# Altium PCB higgs.PcbDoc (part 15 of 25)
Units mm, origin at the board's own origin, x right, y up, seen from the top; angles counter-clockwise.
Board outline 160 x 160 mm, 15 copper layers (TOP, P1(GND), S1(V), P2(GND), S2(H), P3(GND), S3(V12/V2V5), S4(VDDR), P4(GND), S5(V), P5(GND), S6(H), P6(GND), P1(GND) (Plane1), BOT), stack 3.262 mm thick; 1283 components, 2419 nets, 11066 pads, 5487 vias.
Unrouted connection lines stored in the file: 239.
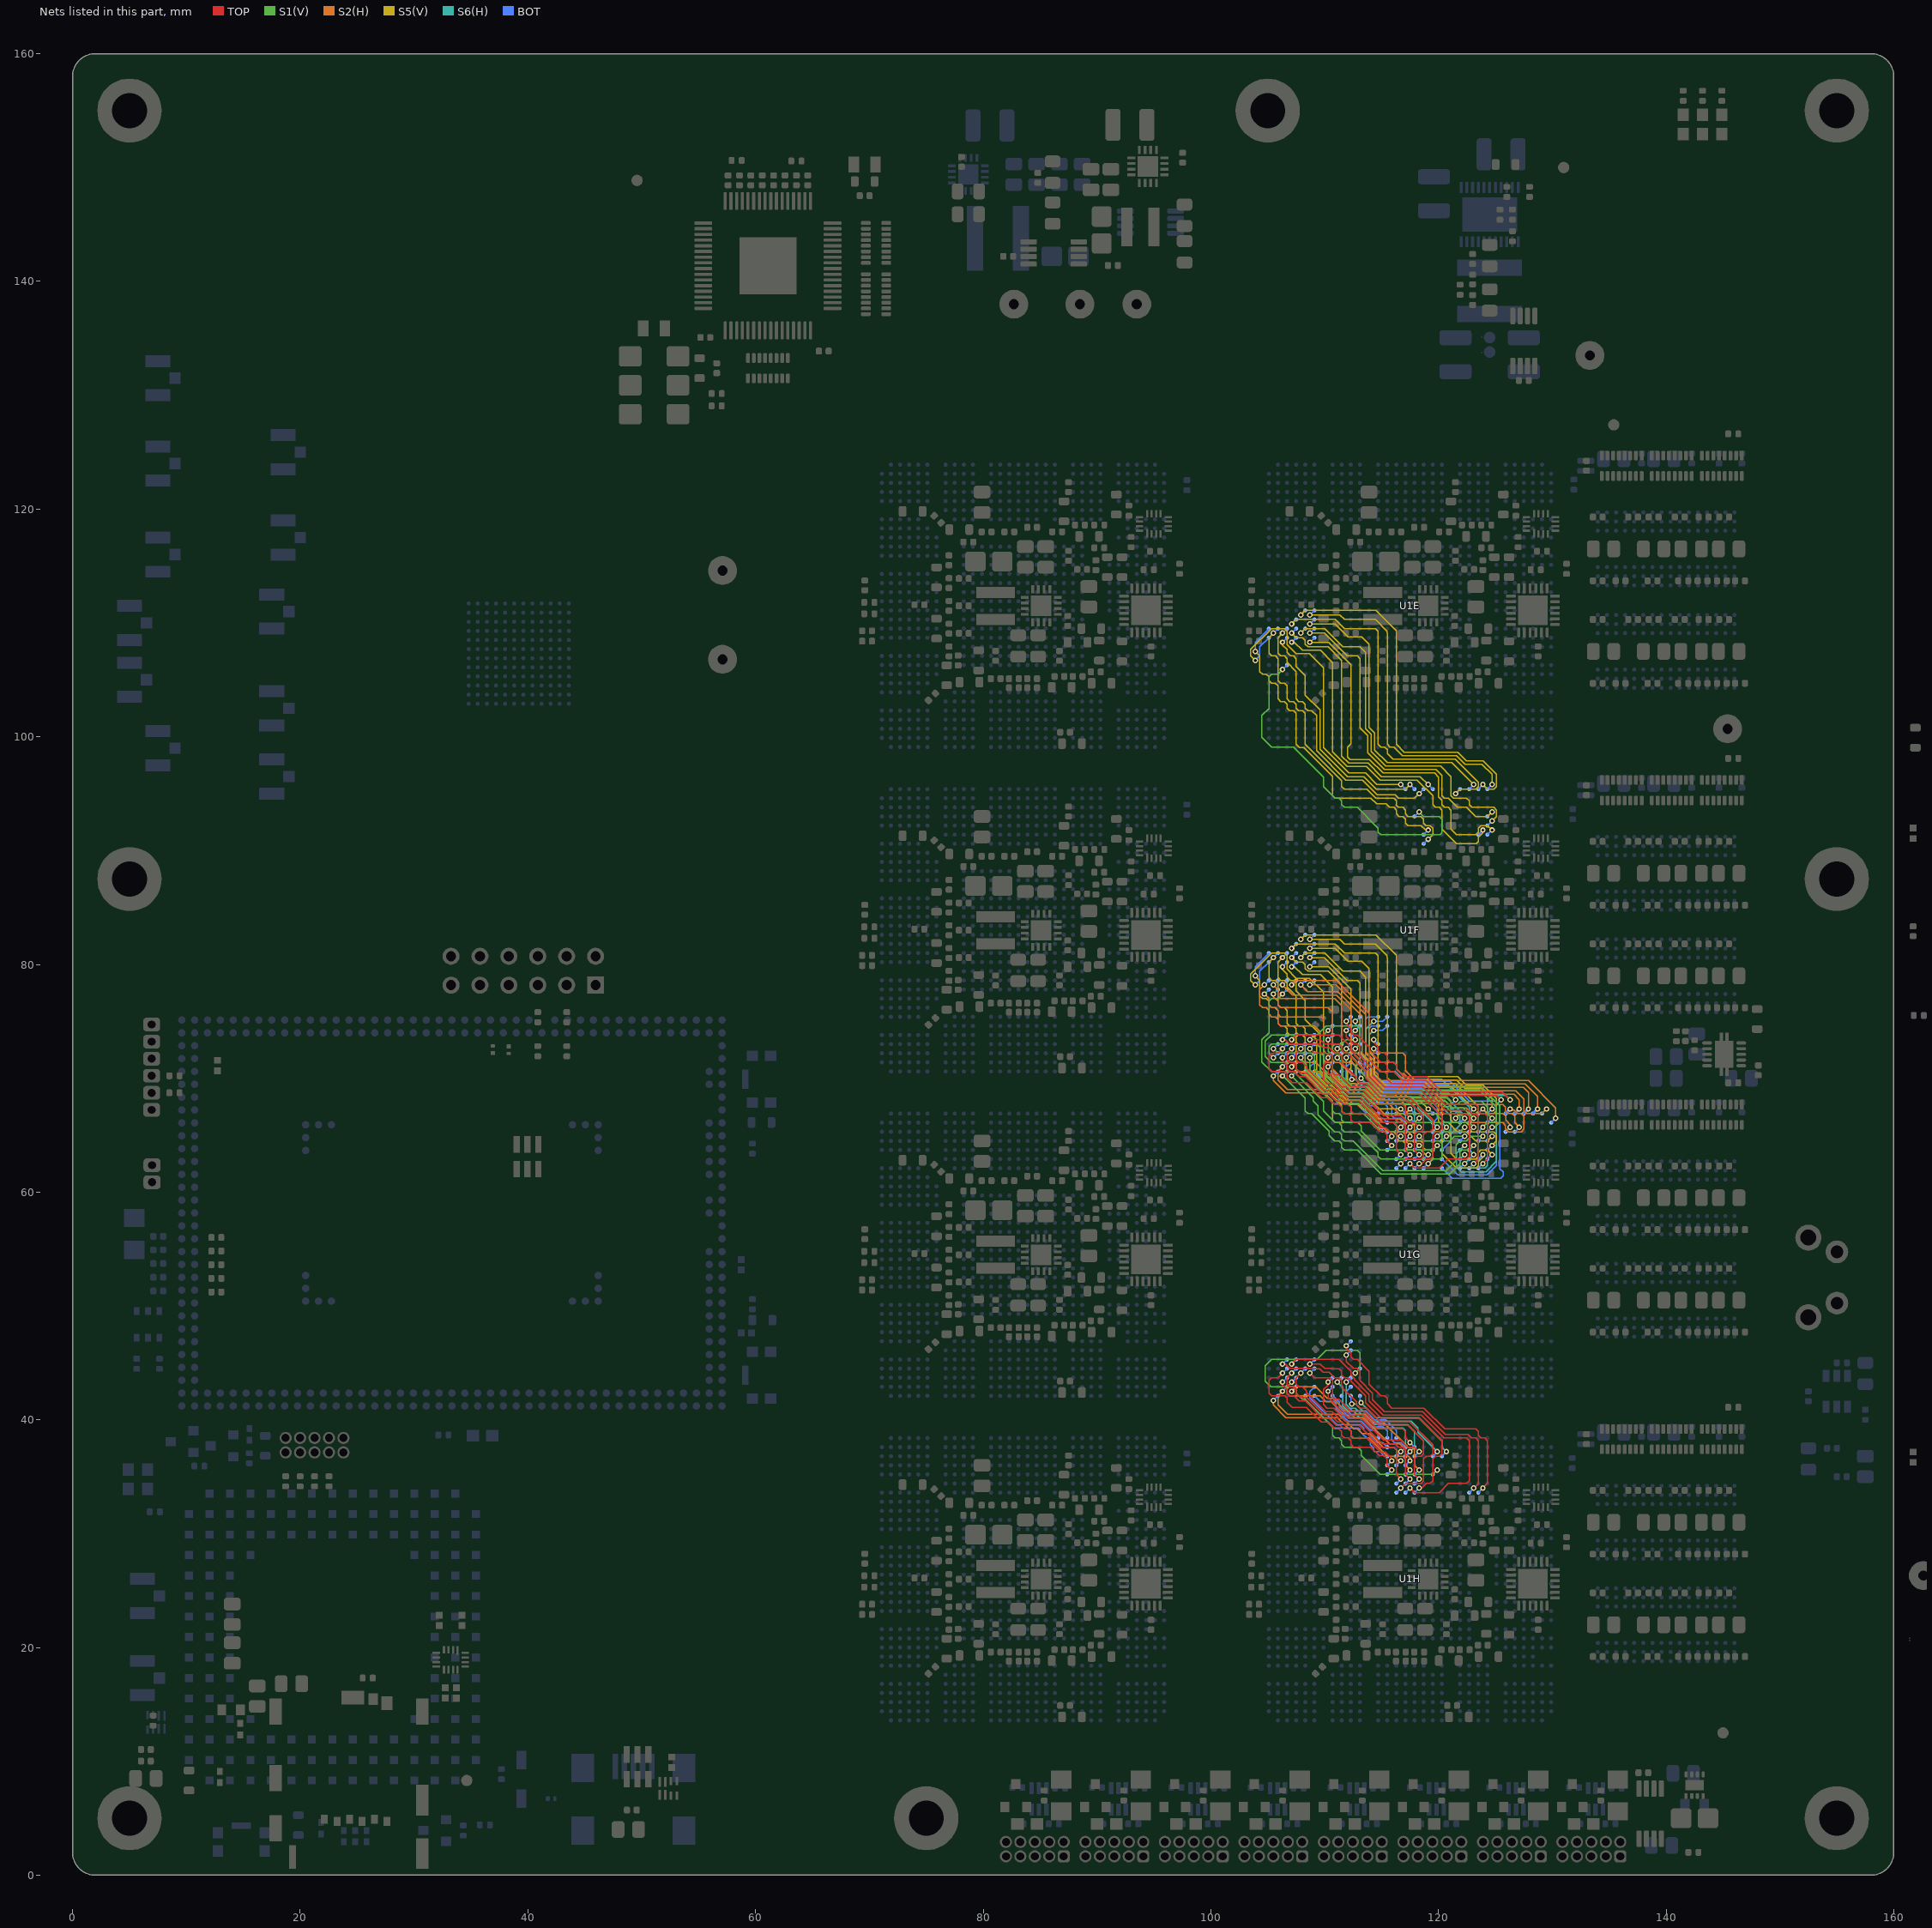
[diagram p28: the nets of this part, all layers, seen from the top]

## Via types
v1: diameter 0.483, hole 0.254, TOP to BOT, tented both sides, 5146 vias
v2: diameter 0.457, hole 0.254, TOP to BOT, tented both sides, 278 vias
v3: diameter 0.5, hole 0.25, TOP to BOT, 50 vias
v4: diameter 0.483/0/0/0/0.483/0/0/0.483 (per signal layer), hole 0.254, TOP to BOT, tented both sides, 7 vias
v5: diameter 0.483, hole 0.254, TOP to BOT, tented bottom, 5 vias
v6: diameter 0.483, hole 0.254, TOP to BOT, 1 vias

## Nets (pads, with @x,y where several pads share a name; then routed paths per layer and width w, separated by ;. In a path a pad name is that pad's centre, name@x,y a point inside that pad or via, vN(x,y) a via of type N, cw(c..) or ccw(c..) an arc to the next point about the centre after c; other vN are vias at no path point) (continued)
IL12_30.TB.G13.C_N: U1E.F17 U1F.AE1 | length 29.6
  S5(V) w0.102: v1(108.7,110.7) 111.336,110.7 111.735,110.301 114.464,110.301 115.499,109.265 115.499,109.101 ; 115.5,109.1 115.5,99.336 115.735,99.101 115.999,99.101 116.001,99.099 116.065,99.099 116.832,98.333 121.59,98.333 122.327,97.595 123.8,97.595 124.7,96.695 v1(124.7,95.8)
  BOT w0.102: v1(108.7,110.7) U1E.F17@109.1,111.1 ; U1F.AE1@124.3,95.4 v1(124.7,95.8)
IL12_30.TB.G13.C_P: U1E.E17 U1F.AD1 | length 32.8
  S5(V) w0.102: v1(107.9,110.7) 108.3,111.1 114.5,111.1 116.299,109.301 116.299,99.336 116.998,98.638 121.716,98.638 122.453,97.9 123.926,97.9 125.099,96.727 125.099,95.635 124.865,95.401 124.299,95.401 v1(123.9,95.8)
  BOT w0.102: v1(107.9,110.7) U1E.E17@108.3,111.1 ; U1F.AD1@123.5,95.4 v1(123.9,95.8)
IL12_30.TB.G13.D0_N: U1E.F18 U1F.AC1 | length 26.5
  S5(V) w0.102: v1(108.7,109.9) 110.905,109.9 112.037,108.768 113.268,108.768 113.901,108.135 113.901,101.1 113.901,100.836 114.394,100.342 114.394,98.841 115.512,97.723 121.177,97.723 v1(123.1,95.8)
  BOT w0.102: v1(108.7,109.9) U1E.F18@109.1,110.3 ; U1F.AC1@122.7,95.4 v1(123.1,95.8)
IL12_30.TB.G13.D0_P: U1E.D18 U1F.AB1 | length 32.3
  S5(V) w0.102: v1(107.1,109.9) 107.102,109.9 107.501,110.299 107.899,110.299 ; 107.9,110.3 110.936,110.3 111.735,109.501 114.464,109.501 114.699,109.265 114.699,99.6 114.701,99.598 114.701,99.335 114.936,99.099 115.265,99.099 115.5,98.864 115.5,98.536 116.008,98.028 121.463,98.028 123.5,95.991 123.5,95.636 123.265,95.401 121.901,95.401 v1(121.5,95)
  BOT w0.102: v1(107.1,109.9) U1E.D18@107.5,110.3 ; v1(121.5,95) U1F.AB1@121.9,95.4
IL12_30.TB.G13.D1_N: U1E.B19 U1F.V7 | length 29.5
  S5(V) w0.102: v1(105.5,109.1) 105.101,108.701 105.101,107.335 105.336,107.099 105.665,107.099 105.899,106.865 105.899,106.701 105.901,106.699 105.901,104.935 106.135,104.701 106.464,104.701 106.701,104.464 106.701,103.335 106.935,103.101 107.098,103.101 107.1,103.099 107.265,103.099 107.501,102.864 107.501,102.535 107.736,102.299 108.065,102.299 108.301,102.064 108.301,99.344 111.499,96.146 111.499,95.636 111.736,95.4 113.695,95.4 114.496,94.599 116.065,94.599 116.299,94.365 116.299,94.035 116.28,94.016 116.496,93.799 116.865,93.799 117.099,93.565 117.099,93.236 117.336,92.999 118.465,92.999 118.699,92.765 118.699,92.401 118.9,92.2 119.264,92.2 119.499,91.965 119.499,91.399 v1(119.1,91)
  BOT w0.102: v1(105.5,109.1) U1E.B19@105.9,109.5 ; U1F.V7@118.7,90.6 v1(119.1,91)
IL12_30.TB.G13.D1_P: U1E.A19 U1F.V6 | length 29.6
  S5(V) w0.102: v1(103.9,107.5) 104.3,107.1 104.3,106.601 ; 104.301,106.6 104.301,105.735 104.536,105.499 104.865,105.499 105.101,105.264 105.101,104.935 105.335,104.701 105.664,104.701 105.899,104.465 105.899,103.336 106.135,103.101 106.464,103.101 106.7,102.864 106.7,102.7 ; 106.701,102.7 106.701,102.535 106.936,102.299 107.265,102.299 107.499,102.065 107.499,99.336 107.779,99.057 108.157,99.057 110.701,96.513 110.701,94.835 110.936,94.599 114.065,94.599 114.561,94.104 115.392,94.104 115.696,93.799 116.065,93.799 116.301,93.564 116.301,93.235 116.536,92.999 116.865,92.999 117.101,92.764 117.101,92.435 117.335,92.201 118.464,92.201 118.864,91.8 v1(119.1,91.8)
  BOT w0.102: v1(103.9,107.5) 103.9,108.3 U1E.A19@105.1,109.5 ; U1F.V6@118.7,91.4 v1(119.1,91.8)
IL12_30.TB.G13.D2_N: U1E.D19 U1F.W1 | length 23.8
  S5(V) w0.102: v1(107.1,109.1) 107.501,108.699 108.065,108.699 108.3,108.464 108.3,108.136 108.535,107.901 110.306,107.901 111.501,106.706 111.501,98.304 112.108,97.696 113.815,97.696 115.007,96.504 118.396,96.504 v1(119.1,95.8)
  BOT w0.102: v1(107.1,109.1) U1E.D19@107.5,109.5 ; v1(119.1,95.8) U1F.W1@119.5,95.4
IL12_30.TB.G13.D2_P: U1E.C19 U1F.V1 | length 24.5
  S5(V) w0.102: v1(106.3,109.1) 105.9,108.7 105.9,107.336 106.135,107.101 106.464,107.101 106.699,106.865 106.699,106.537 107.5,105.736 107.5,103.8 ; 107.501,103.799 107.501,103.335 107.735,103.101 108.064,103.101 108.299,102.865 108.299,102.7 108.301,102.698 108.301,102.535 108.536,102.299 108.865,102.299 109.291,101.873 109.291,98.785 111.877,96.199 113.327,96.199 114.623,94.904 116.192,94.904 116.495,94.601 117.901,94.601 v1(118.3,95)
  BOT w0.102: v1(106.3,109.1) U1E.C19@106.7,109.5 ; v1(118.3,95) U1F.V1@118.7,95.4
IL12_30.TB.G13.D3_N: U1E.F19 U1F.AE4 | length 29.4
  S5(V) w0.102: v1(108.7,109.1) 109.969,109.1 111.969,107.1 112.864,107.1 113.099,106.865 113.099,100.775 113.785,100.09 113.785,98.589 115.26,97.114 119.772,97.114 120.301,96.585 120.301,94.835 120.536,94.599 120.865,94.599 121.664,93.801 122.298,93.801 122.3,93.799 122.465,93.799 123.264,93.001 124.301,93.001 v1(124.7,93.4)
  BOT w0.102: v1(108.7,109.1) U1E.F19@109.1,109.5 ; U1F.AE4@124.3,93 v1(124.7,93.4)
IL12_30.TB.G13.D3_P: U1E.E19 U1F.AE5 | length 32.2
  S5(V) w0.102: v1(107.9,109.1) 108.299,109.499 110.001,109.499 111.599,107.901 113.095,107.901 113.596,107.4 113.596,100.709 114.09,100.216 114.09,98.715 115.386,97.418 120.182,97.418 121.1,96.5 121.1,94.836 121.336,94.599 122.465,94.599 122.699,94.365 122.699,94.2 122.701,94.198 122.701,94.035 122.935,93.801 123.217,93.801 123.218,93.8 124.3,93.8 124.301,93.799 124.865,93.799 125.099,93.565 125.099,92.999 v1(124.7,92.6)
  BOT w0.102: v1(107.9,109.1) U1E.E19@108.3,109.5 ; U1F.AE5@124.3,92.2 v1(124.7,92.6)
IL12_30.TB.G13.D4_N: U1E.C20 U1F.U1 | length 21.6
  S5(V) w0.102: v1(106.3,108.3) 106.3,108.064 106.699,107.665 106.699,107.401 107.001,107.099 107.265,107.099 107.499,106.865 107.499,106.168 108.299,105.368 108.299,105.001 ; 108.3,105 108.3,103.664 109.596,102.368 109.596,98.911 112.003,96.504 113.454,96.504 114.557,95.401 117.101,95.401 v1(117.5,95.8)
  BOT w0.102: v1(106.3,108.3) U1E.C20@106.7,108.7 ; v1(117.5,95.8) U1F.U1@117.9,95.4
IL12_30.TB.G13.D4_P: U1E.A20 U1F.T1 | length 28.6
  S5(V) w0.102: v1(103.9,106.7) 103.501,107.099 103.501,107.665 105.335,109.499 106.465,109.499 106.699,109.265 106.699,108.096 107.504,107.291 108.673,107.291 109.901,106.064 109.901,99.037 112.129,96.809 113.58,96.809 114.589,95.8 v1(116.7,95.8)
  BOT w0.102: v1(103.9,106.7) 104.3,107.1 104.3,107.9 U1E.A20@105.1,108.7 ; v1(116.7,95.8) U1F.T1@117.1,95.4
IL12_30.TB.G13.D5_N: U1E.F20 U1F.AE6 | length 32.2
  S5(V) w0.102: v1(108.7,108.3) 110.338,108.3 112.3,106.338 112.3,99.4 112.001,99.101 112.001,98.235 112.235,98.001 113.942,98.001 115.134,96.809 119.646,96.809 119.996,96.458 119.996,94.708 120.302,94.402 120.302,94.367 120.301,94.365 120.301,94.035 120.535,93.801 120.702,93.801 ; 120.702,93.799 120.865,93.799 121.099,93.565 121.099,91.901 121.599,91.401 123.265,91.401 123.499,91.635 123.499,91.964 123.735,92.199 124.098,92.199 124.1,92.201 124.299,92.201 v1(124.7,91.8)
  BOT w0.102: v1(108.7,108.3) U1E.F20@109.1,108.7 ; U1F.AE6@124.3,91.4 v1(124.7,91.8)
IL12_30.TB.G13.D5_P: U1E.D20 U1F.AD6 | length 32.2
  S5(V) w0.102: v1(107.1,108.3) 107.336,108.3 108.039,107.596 109.635,107.596 110.701,106.53 110.701,98.668 111.978,97.391 113.689,97.391 114.881,96.199 118.136,96.199 119.501,94.835 119.501,94.035 119.736,93.799 120.065,93.799 120.299,93.565 120.299,91.901 121.599,90.601 123.301,90.601 123.501,90.801 123.501,91.165 123.9,91.564 v1(123.9,91.8)
  BOT w0.102: v1(107.1,108.3) U1E.D20@107.5,108.7 ; U1F.AD6@123.5,91.4 v1(123.9,91.8)
IL12_30.TB.G13.D6: U1E.C23 U1F.U4 | length 32.5
  S1(V) w0.102: v1(106.3,105.9) 105.899,105.499 105.335,105.499 105.1,105.264 105.1,102.495 104.491,101.887 104.491,99.944 105.335,99.101 107.262,99.101 109.901,96.462 109.901,95.635 110.936,94.599 111.265,94.599 111.501,94.364 111.501,94.035 111.735,93.801 112.864,93.801 114.701,91.964 114.701,91.635 114.935,91.401 120.151,91.401 120.299,91.549 120.299,92.765 120.064,93 119.5,93 ; v1(118.3,93.4) 118.699,93.001 120.064,93.001
  BOT w0.102: v1(106.3,105.9) U1E.C23@106.7,106.3 ; U1F.U4@117.9,93 v1(118.3,93.4)
IL12_31.LR.G0.D0_N: U1F.D28 U1G.T7 | length 29.8
  TOP w0.102: v1(107.1,73.4) 107.499,73.799 108.699,73.799 ; 108.7,73.8 110.5,73.8 ; 110.501,73.799 111.265,73.799 112.064,73.001 112.299,72.765 112.299,72.437 112.604,72.132 112.604,72.023 113.904,70.723 113.904,70.14 115.126,68.918 118.477,68.918 120.496,66.899 122.465,66.899 122.699,66.665 122.699,63.135 122.465,62.901 120.865,62.901 120.065,62.101 117.899,62.101 v1(117.5,62.5)
  BOT w0.102: v1(107.1,73.4) U1F.D28@107.5,73.8 ; U1G.T7@117.1,62.1 v1(117.5,62.5)
IL12_31.LR.G0.D0_P: U1F.C28 U1G.R7 | length 23.7
  TOP w0.102: v1(106.3,73.4) 106.536,73.4 106.935,73.001 108.699,73.001 ; 108.7,73 109.569,73 109.873,72.696 110.399,72.696 110.895,72.201 111.264,72.201 111.501,71.964 111.501,71.364 112.801,70.064 112.801,69.835 113.108,69.528 113.654,69.528 114.873,68.309 117.487,68.309 119.5,66.295 119.5,65.725 119.499,65.724 119.499,65.535 119.265,65.301 118.936,65.301 118.701,65.065 118.701,63.465 118.699,63.464 118.699,63.135 118.464,62.9 117.1,62.9 v1(116.7,62.5)
  BOT w0.102: v1(106.3,73.4) U1F.C28@106.7,73.8 ; U1G.R7@116.3,62.1 v1(116.7,62.5)
IL12_31.LR.G0.D1_N: U1F.C30 U1G.P4 | length 14.2
  TOP w0.102: v1(106.3,71.8) 106.3,71.564 106.699,71.165 106.699,70.837 106.935,70.601 107.304,70.601 107.767,70.138 108.305,70.138 109.838,68.605 110.422,68.605 111.023,68.004 111.392,68.004 111.696,67.699 112.065,67.699 112.301,67.464 112.301,67.135 112.535,66.901 113.695,66.901 114.926,65.669 115.326,65.669 115.9,65.095 v1(115.9,64.9)
  BOT w0.102: v1(106.3,71.8) U1F.C30@106.7,72.2 ; U1G.P4@115.5,64.5 v1(115.9,64.9)
IL12_31.LR.G0.D1_P: U1F.C29 U1G.P5 | length 18.2
  TOP w0.102: v1(106.3,72.6) 106.298,72.6 105.899,72.201 105.501,72.201 105.499,72.199 105.335,72.199 105.101,71.965 105.101,71.165 105.101,70.835 105.335,70.601 106.504,70.601 106.7,70.405 106.7,70.034 107.134,69.6 108.411,69.6 109.711,68.3 110.295,68.3 110.896,67.699 111.265,67.699 111.501,67.464 111.501,67.135 111.736,66.899 112.065,66.899 112.299,66.665 112.299,66.336 112.535,66.101 114.064,66.101 114.8,65.364 115.2,65.364 115.499,65.065 115.499,64.501 v1(115.9,64.1)
  BOT w0.102: v1(106.3,72.6) U1F.C29@106.7,73 ; U1G.P5@115.5,63.7 v1(115.9,64.1)
IL12_31.LR.G0.D2_N: U1F.E29 U1G.T6 | length 17.1
  TOP w0.102: v1(107.9,72.6) 107.501,72.201 107.501,71.635 107.735,71.401 108.064,71.401 108.4,71.064 108.4,70.905 110.09,69.214 110.674,69.214 111.275,68.614 111.644,68.614 111.949,68.309 113.149,68.309 115.054,66.404 116.192,66.404 116.496,66.099 116.865,66.099 117.099,65.865 117.099,63.701 v1(117.5,63.3)
  BOT w0.102: v1(107.9,72.6) U1F.E29@108.3,73 ; U1G.T6@117.1,62.9 v1(117.5,63.3)
IL12_31.LR.G0.D2_P: U1F.D29 U1G.R6 | length 17.2
  TOP w0.102: v1(107.1,72.6) 106.701,72.201 106.701,71.6 106.902,71.399 107.265,71.399 107.499,71.165 107.499,70.836 107.893,70.442 108.431,70.442 109.964,68.91 110.548,68.91 111.149,68.309 111.518,68.309 111.823,68.004 113.023,68.004 114.927,66.099 116.065,66.099 116.299,65.865 116.299,63.701 v1(116.7,63.3)
  BOT w0.102: v1(107.1,72.6) U1F.D29@107.5,73 ; U1G.R6@116.3,62.9 v1(116.7,63.3)
IL12_31.LR.G0.D3_N: U1F.F28 U1G.U7 | length 21.6
  TOP w0.102: v1(108.7,73.4) 109.6,73.4 109.999,73.001 110.6,73.001 110.602,72.999 111.265,72.999 111.499,72.765 111.499,72.601 111.501,72.599 111.501,72.435 111.735,72.201 112.064,72.201 112.299,71.965 112.299,71.896 113.599,70.596 113.599,70.014 114.999,68.614 118.351,68.614 120.301,66.664 120.301,65.7 120.299,65.698 120.299,65.535 120.065,65.301 119.736,65.301 119.501,65.065 119.501,63.136 119.265,62.901 118.936,62.901 118.536,62.5 v1(118.3,62.5)
  BOT w0.102: v1(108.7,73.4) U1F.F28@109.1,73.8 ; U1G.U7@117.9,62.1 v1(118.3,62.5)
IL12_31.LR.G0.D3_P: U1F.F29 U1G.U6 | length 18.5
  TOP w0.102: v1(108.7,72.6) 109.1,72.2 110.136,72.2 110.136,72.199 110.465,72.199 110.699,71.965 110.699,70.483 110.883,70.299 111.252,70.299 112.328,69.223 113.528,69.223 114.747,68.004 117.361,68.004 118.699,66.665 118.699,65.535 118.465,65.301 118.136,65.301 117.9,65.064 117.9,63.7 v1(118.3,63.3)
  BOT w0.102: v1(108.7,72.6) U1F.F29@109.1,73 ; U1G.U6@117.9,62.9 v1(118.3,63.3)
IL12_31.LR.G0.D4_N: U1F.D31 U1G.U5 | length 16.3
  S2(H) w0.102: v1(107.1,71) 107.499,71.399 109.227,71.399 110.245,70.381 110.723,70.381 111.908,69.196 112.577,69.196 112.782,68.991 113.549,68.991 114.263,68.277 115.159,68.277 117.2,66.236 117.336,66.099 117.665,66.099 117.899,65.865 117.899,64.503 v1(118.3,64.1) v1(118.3,64.1)
  BOT w0.102: v1(107.1,71) U1F.D31@107.5,71.4 ; U1G.U5@117.9,63.7 v1(118.3,64.1)
IL12_31.LR.G0.D4_P: U1F.D30 U1G.T4 | length 15.9
  S2(H) w0.102: v1(107.1,71.8) 106.7,71.4 106.7,70.836 106.935,70.601 109.595,70.601 110.119,70.076 110.597,70.076 111.782,68.891 112.451,68.891 112.656,68.687 113.423,68.687 115.705,66.404 116.596,66.404 117.101,65.899 117.101,65.535 117.5,65.136 v1(117.5,64.9)
  BOT w0.102: v1(107.1,71.8) U1F.D30@107.5,72.2 ; U1G.T4@117.1,64.5 v1(117.5,64.9)
IL12_31.LR.G0.S_N: U1F.C31 U1G.T5 | length 17
  S2(H) w0.102: v1(106.3,71) 105.899,70.599 105.899,69.832 106.726,69.005 111.238,69.005 112.543,67.699 112.865,67.699 113.292,67.273 113.96,67.273 115.134,66.099 116.065,66.099 116.301,65.864 116.301,65.535 116.535,65.301 116.864,65.301 117.101,65.064 117.101,64.501 v1(117.5,64.1) v1(117.5,64.1)
  BOT w0.102: v1(106.3,71) U1F.C31@106.7,71.4 ; U1G.T5@117.1,63.7 v1(117.5,64.1)
IL12_31.LR.G0.S_P: U1F.B32 U1G.R4 | length 15
  S2(H) w0.102: v1(105.5,70.2) 105.5,69.8 106.6,68.7 111.111,68.7 112.299,67.512 112.299,67.101 112.499,66.901 113.901,66.901 115.501,65.301 115.999,65.301 116.001,65.299 116.065,65.299 116.464,64.9 v1(116.7,64.9)
  BOT w0.102: v1(105.5,70.2) U1F.B32@105.9,70.6 ; U1G.R4@116.3,64.5 v1(116.7,64.9)
IL12_31.LR.G1.D0_N: U1F.E32 U1G.P3 | length 10
  BOT w0.102: U1F.E32@108.3,70.6 108.3,70.274 110.802,67.772 112.966,67.772 113.119,67.619 113.119,67.485 114.002,66.602 114.002,66.298 114.299,66.001 114.299,65.8 114.399,65.7 114.866,65.7 115.265,65.3 U1G.P3@115.5,65.3
IL12_31.LR.G1.D0_P: U1F.F31 U1G.P2 | length 9.8
  BOT w0.102: U1F.F31@109.1,71.4 108.7,71 108.7,70.435 111.058,68.077 113.092,68.077 113.434,67.734 113.434,67.6 114.534,66.5 115.1,66.5 U1G.P2@115.5,66.1
IL12_31.LR.G1.D1_N: U1F.H32 U1G.P1 | length 7
  BOT w0.102: U1F.H32@110.7,70.6 110.742,70.6 111.291,70.052 111.291,69.583 112.187,68.687 113.345,68.687 114.145,67.886 115.114,67.886 115.5,67.5 U1G.P1@115.5,66.9
IL12_31.LR.G1.D1_P: U1F.F32 U1G.N1 | length 7.6
  BOT w0.102: U1F.F32@109.1,70.6 109.594,70.106 110.806,70.106 110.986,69.926 110.986,69.457 112.061,68.382 113.218,68.382 114.019,67.581 114.419,67.581 114.7,67.3 U1G.N1@114.7,66.9
IL12_31.LR.G1.D2_N: U1F.H30 U1G.U3 | length 13.4
  TOP w0.102: v1(110.3,71.8) 110.3,71.564 109.901,71.165 109.901,69.835 110.216,69.519 110.8,69.519 111.401,68.918 111.77,68.918 112.075,68.614 113.275,68.614 115.18,66.709 116.687,66.709 117.295,66.101 117.899,66.101 v1(118.3,65.7)
  BOT w0.102: v1(110.3,71.8) U1F.H30@110.7,72.2 ; U1G.U3@117.9,65.3 v1(118.3,65.7)
IL12_31.LR.G1.D2_P: U1F.H31 U1G.U2 | length 10.8
  TOP w0.102: v1(110.3,71) 110.3,70.451 111.528,69.223 111.897,69.223 112.201,68.918 113.401,68.918 114.621,67.699 116.865,67.699 117.099,67.465 117.099,66.901 v1(117.5,66.5)
  BOT w0.102: v1(110.3,71) U1F.H31@110.7,71.4 ; v1(117.5,66.5) U1G.U2@117.9,66.1
IL12_31.LR.G1.D3_N: U1F.K30 U1G.T3 | length 12
  S6(H) w0.102: v1(111.9,71.8) 111.9,69.836 112.235,69.501 112.704,69.501 113.318,68.887 113.451,68.887 114.257,68.081 117.284,68.081 117.899,67.465 117.899,66.099 v1(117.5,65.7)
  BOT w0.102: v1(111.9,71.8) U1F.K30@112.3,72.2 ; U1G.T3@117.1,65.3 v1(117.5,65.7)
IL12_31.LR.G1.D3_P: U1F.J30 U1G.R3 | length 11.8
  S6(H) w0.102: v1(111.1,71.8) 111.595,71.305 111.595,69.709 112.108,69.196 112.577,69.196 113.192,68.582 113.325,68.582 114.131,67.776 116.887,67.776 117.1,67.563 117.1,66.1 v1(116.7,65.7)
  BOT w0.102: v1(111.1,71.8) U1F.J30@111.5,72.2 ; U1G.R3@116.3,65.3 v1(116.7,65.7)
IL12_31.LR.G1.D4_N: U1F.L32 U1G.Y3 | length 10.8
  S6(H) w0.102: v1(113.2,70) 114.51,68.69 118.274,68.69 120.301,66.664 120.301,66.099 v1(120.7,65.7)
  BOT w0.102: U1F.L32@113.1,70.6 113.1,70.195 113.104,70.192 113.104,70.096 v1(113.2,70) ; U1G.Y3@120.3,65.3 v1(120.7,65.7)
IL12_31.LR.G1.D4_P: U1F.K32 U1G.W3 | length 10.8
  S6(H) w0.102: v1(112.4,69.9) 112.736,69.9 113.444,69.191 113.578,69.191 114.383,68.386 117.6,68.386 118.204,67.782 118.204,67.396 v1(119.9,65.7)
  BOT w0.102: U1F.K32@112.3,70.6 112.3,70 v1(112.4,69.9) ; U1G.W3@119.5,65.3 v1(119.9,65.7)
IL12_31.LR.G1.S_N: U1F.J32 U1G.T2 | length 8.4
  BOT w0.102: U1F.J32@111.5,70.6 111.595,70.505 111.595,69.709 112.313,68.991 113.471,68.991 114.272,68.19 115.241,68.19 115.9,67.531 115.9,66.735 116.135,66.5 116.7,66.5 U1G.T2@117.1,66.1
IL12_31.LR.G1.S_P: U1F.K31 U1G.R1 | length 7.7
  BOT w0.102: U1F.K31@112.3,71.4 111.9,71 111.9,69.835 112.439,69.296 113.597,69.296 114.398,68.495 115.367,68.495 116.3,67.562 U1G.R1@116.3,66.9
IL12_31.LR.G2.D0_N: U1F.K26 U1G.AD7 | length 22.8
  TOP w0.102: v1(111.9,75) 111.9,74.764 112.301,74.364 112.301,74.035 112.535,73.801 112.798,73.801 112.8,73.799 112.865,73.799 113.901,72.764 113.901,71.635 114.935,70.601 115.264,70.601 115.501,70.364 115.501,69.927 115.9,69.528 118.73,69.528 120.558,67.7 123.264,67.7 123.501,67.464 123.501,67.135 123.735,66.901 124.064,66.901 124.299,66.665 124.299,62.901 123.9,62.502 v1(123.9,62.5)
  BOT w0.102: v1(111.9,75) U1F.K26@112.3,75.4 ; U1G.AD7@123.5,62.1 v1(123.9,62.5)
IL12_31.LR.G2.D0_P: U1F.K27 U1G.AC7 | length 21.3
  TOP w0.102: v1(111.9,74.2) 111.9,73.636 112.535,73.001 112.864,73.001 113.099,72.765 113.099,71.958 114.209,70.849 114.209,70.266 115.252,69.223 118.603,69.223 120.623,67.204 122.592,67.204 122.896,66.899 123.265,66.899 123.499,66.665 123.499,62.899 v1(123.1,62.5)
  BOT w0.102: v1(111.9,74.2) U1F.K27@112.3,74.6 ; U1G.AC7@122.7,62.1 v1(123.1,62.5)
IL12_31.LR.G2.D1_N: U1F.L29 U1G.W5 | length 33.1
  S1(V) w0.102: v1(112.7,72.6) 113.099,72.999 113.099,74.365 112.865,74.599 110.135,74.599 109.335,73.8 105.335,73.8 104.796,73.261 104.796,71.9 105.297,71.399 107.265,71.399 107.499,71.165 107.499,70.836 108.045,70.29 108.29,70.29 110.701,67.879 110.701,67.135 110.935,66.901 111.264,66.901 111.499,66.665 111.499,66.335 111.733,66.101 112.935,66.101 113.236,65.8 113.236,65.36 114.896,63.699 119.499,63.699 v1(119.9,64.1)
  BOT w0.102: v1(112.7,72.6) U1F.L29@113.1,73 ; U1G.W5@119.5,63.7 v1(119.9,64.1)
IL12_31.LR.G2.D1_P: U1F.K28 U1G.Y5 | length 21.7
  S1(V) w0.102: v1(112.7,73.4) 111.9,73.4 111.501,73.001 110.936,73.001 110.701,72.765 110.701,72.435 110.936,72.199 111.265,72.199 111.499,71.965 111.499,70.236 112.439,69.296 113.606,69.296 114.212,68.69 120.91,68.69 v1(121.5,68.1)
  BOT w0.102: U1F.K28@112.3,73.8 v1(112.7,73.4) ; U1G.Y5@120.3,63.7 121.1,64.5 121.1,67.7 v1(121.5,68.1)
IL12_31.LR.G2.D2_N: U1F.N26 U1G.Y6 | length 29.4
  BOT w0.102: U1F.N26@114.7,75.4 113.8,75.4 113.596,75.196 113.596,72.308 113.995,71.909 113.995,70.308 114.894,69.41 120.89,69.41 122.601,67.699 124.865,67.699 125.099,67.465 125.099,62.334 124.271,61.506 121.694,61.506 U1G.Y6@120.3,62.9
IL12_31.LR.G2.D2_P: U1F.N27 U1G.Y7 | length 29.4
  BOT w0.102: U1F.N27@114.7,74.6 114.136,74.6 113.901,74.365 113.901,72.435 114.3,72.035 114.3,70.434 115.02,69.714 121.017,69.714 122.727,68.004 124.992,68.004 125.404,67.592 125.404,62.061 125.699,61.765 125.699,61.435 125.465,61.201 121.199,61.201 U1G.Y7@120.3,62.1
IL12_31.LR.G2.D3_N: U1F.P26 U1G.AC6 | length 20.6
  S6(H) w0.102: v1(114.3,75) 113.596,74.296 113.596,71.035 115.026,69.605 119.391,69.605 122.096,66.899 122.465,66.899 122.699,66.665 122.699,63.701 v1(123.1,63.3)
  BOT w0.102: v1(114.3,75) 115.1,75 U1F.P26@115.5,75.4 ; U1G.AC6@122.7,62.9 v1(123.1,63.3)
IL12_31.LR.G2.D3_P: U1F.P27 U1G.AB7 | length 21.5
  S6(H) w0.102: v1(114.3,74.2) 113.901,73.801 113.901,71.635 114.935,70.601 116.2,70.601 116.891,69.91 120.255,69.91 122.701,67.464 122.701,67.135 122.935,66.901 123.265,66.901 123.499,66.667 123.499,63.135 123.265,62.901 122.701,62.901 v1(122.3,62.5)